# Altium PCB SCCM.PcbDoc (part 2 of 2)
Units mm, origin at the board's own origin, x right, y up, seen from the top; angles counter-clockwise.
Board outline 70.99 x 61.72 mm, 2 copper layers (Top Layer, Bottom Layer), stack 1.671 mm thick; 172 components, 92 nets, 528 pads, 418 vias.
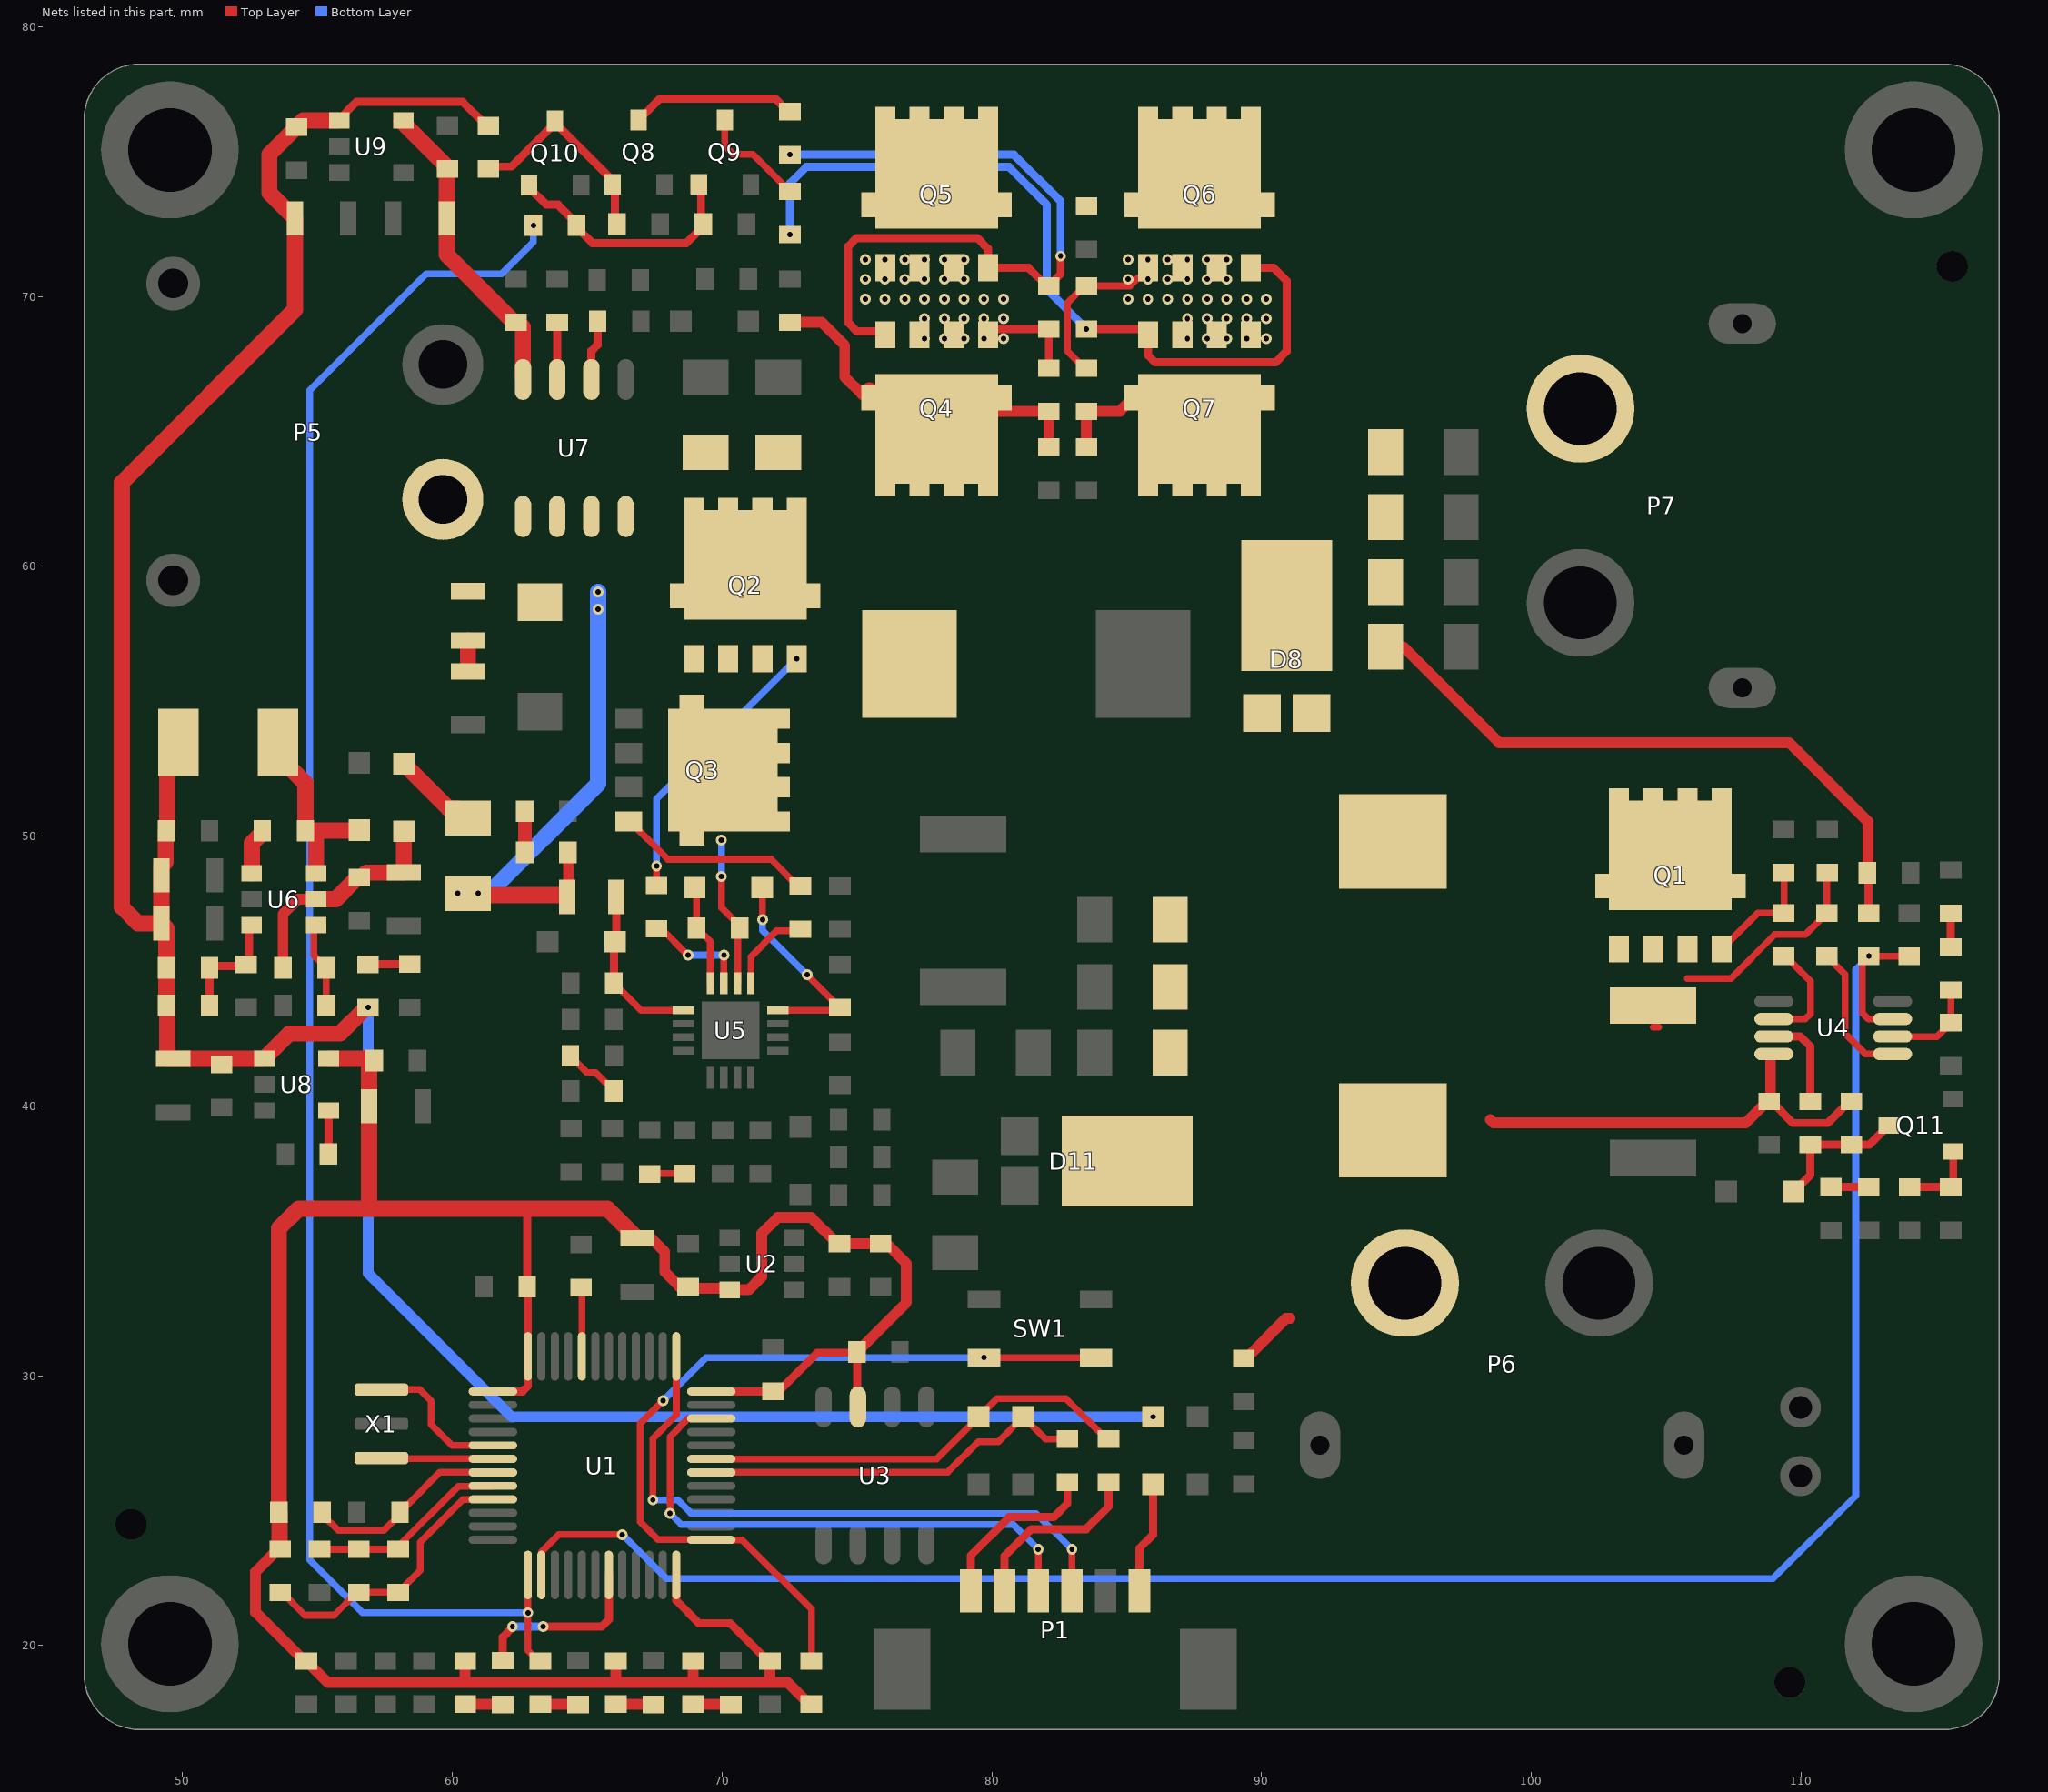
[diagram p2: the nets of this part, all layers, seen from the top]

## Via types
v1: diameter 0.4, hole 0.2, Top Layer to Bottom Layer, tented both sides, 414 vias
v2: diameter 0.5, hole 0.2, Top Layer to Bottom Layer, tented both sides, 4 vias

## Nets (pads, with @x,y where several pads share a name; then routed paths per layer and width w, separated by ;. In a path a pad name is that pad's centre, name@x,y a point inside that pad or via, vN(x,y) a via of type N, cw(c..) or ccw(c..) an arc to the next point about the centre after c; other vN are vias at no path point) (continued)
LED_ID: D3.2 U1.19 | length 6.7
  Top Layer w0.3: D3.2@61.871,19.442 61.871,20.315 62.23,20.674 v1(62.23,20.701) ; v1(63.373,20.701) 65.532,20.701 65.804,20.973 U1.19@65.804,22.62
  Bottom Layer w0.3: v1(62.23,20.701) v1(63.373,20.701)
LM_VFB: R14.1 R17.2 U1.14 U4.3 | length 76.9
  Top Layer w0.254: U1.14@63.304,22.62 63.313,22.629 63.313,23.483 63.943,24.113 v1(66.304,24.113) ; U4.3@113.395,43.226 112.486,43.226 112.268,43.444 112.268,45.31 v1(112.514,45.555) R17.2@114.005,45.555
  Bottom Layer w0.254: v1(66.304,24.113) 67.938,22.479 108.958,22.479 112.029,25.55 112.029,45.07 v1(112.514,45.555)
NetC19_1: C19.1 R18.2 | length 1.2
  Top Layer w0.3: C19.1@115.554,45.894 R18.2@115.554,47.144
NetC19_2: C19.2 C56.2 U4.2 | length 3.6
  Top Layer w0.254: U4.2@113.395,42.576 115.039,42.576 C56.2@115.554,43.091 ; C56.2@115.554,43.091 C19.2@115.554,44.294
NetC20_2: C20.2 Q1.1 Q1.2 Q1.3 R16.2 R60.1 | length 7.9
  Top Layer w0.254: 104.521,42.929 104.721,42.929 ; 105.791,44.723 107.398,44.723 109.03,46.355 110.16,46.355 R60.1@110.96,47.155 110.96,48.553 110.946,48.567 C20.2@111.021,48.567
NetC21_1: C21.1 R19.2 | length 1.5
  Top Layer w0.5: R19.2@62.688,49.403 C21.1@62.688,50.927
NetC22_1: C22.1 D9.2 R20.2 U5.1 | length 6.3
  Top Layer w0.254: C22.1@65.989,44.558 67,43.547 U5.1@68.569,43.547
  Top Layer w0.3: C22.1@65.989,44.483 C22.1@65.989,44.558 65.989,46.039 D9.2@66.039,46.089 66.083,46.132 R20.2@66.083,47.752
NetC25_1: C25.1 D10.1 U5.12 | length 8
  Top Layer w0.254: D10.1@71.487,48.097 71.501,48.083 v1(71.501,46.908) ; U5.12@72.069,43.547 74.263,43.547 C25.1@74.366,43.65 v1(73.152,44.864)
  Bottom Layer w0.254: v1(71.501,46.908) 71.501,46.515 v1(73.152,44.864)
NetC27_1: C27.1 L4.1 Q2.1 Q2.2 Q2.3 Q3.5 U5.14 | length 5.6
  Top Layer w0.254: v1(69.977,48.514) 69.977,47.354 70.659,46.672 C27.1@70.659,46.597 70.582,46.52 70.582,44.56 U5.14@70.569,44.547
  Bottom Layer w0.254: v1(69.977,48.514) v1(69.977,49.859)
NetC27_2: C27.2 D10.2 U5.16 | length 3.8
  Top Layer w0.254: D10.2@68.987,48.097 69.059,48.025 C27.2@69.059,46.597 69.569,46.087 U5.16@69.569,44.547
NetC34_1: C34.1 U6.1 | length 1.7
  Top Layer w0.6: U6.1@52.564,48.63 52.564,49.736 52.958,50.13 C34.1@52.958,50.205
NetC34_2: C34.2 D16.2 L5.1 U6.6 | length 7.4
  Top Layer w0.6: L5.1@53.539,53.481 53.539,52.981 54.558,51.963 C34.2@54.558,50.205 C34.2@54.558,50.189 ; C34.2@54.558,50.13 C34.2@54.558,50.189 ; U6.6@54.951,48.63 54.951,50.214 ; D16.2@56.551,50.223 56.542,50.214 54.951,50.214 ; C34.2@54.558,50.189 54.583,50.214 54.951,50.214
NetC35_2: C35.2 C36.2 D15.2 R47.2 U6.5 | length 8.6
  Top Layer w0.4: R47.2@53.719,45.124 53.719,47.115 54.268,47.664 U6.5@54.951,47.664
  Top Layer w0.6: U6.5@54.951,47.664 54.956,47.669 55.681,47.669 56.476,48.465 C36.2@56.551,48.465 56.626,48.465 56.812,48.65 58.198,48.65 C35.2@58.202,48.655 D15.2@58.202,50.185
NetC37_1: C37.1 R48.1 R52.2 U6.3 | length 4.3
  Top Layer w0.3: R48.1@51.001,43.727 C37.1@51.001,45.124 51.064,45.187 52.297,45.187 R52.2@52.36,45.25 52.462,45.352 52.462,46.598 U6.3@52.564,46.699
NetC40_2: C40.2 U7.6 | length 2.3
  Top Layer w0.3: U7.6@65.16,66.929 65.16,67.983 65.387,68.211 C40.2@65.387,69.088
NetC42_2: C42.2 R49.1 | length 1
  Top Layer w0.6: C42.2@60.579,56.236 R49.1@60.579,57.252
NetC51_2: C51.2 U8.4 | length 1.6
  Top Layer w0.3: C51.2@55.41,38.224 55.413,38.227 U8.4@55.413,39.806 ; U8.4@55.413,39.568 U8.4@55.416,39.571
NetD1_1: D1.1 P1.1 | length 4.2
  Top Layer w0.3: P1.1@85.473,22.026 85.473,23.605 85.981,24.113 85.981,25.981 D1.1@85.979,25.983
NetD3_1: D3.1 R6.2 | length 1.4
  Top Layer w0.4: R6.2@60.474,17.829 60.48,17.823 61.865,17.823 D3.1@61.871,17.816
NetD4_1: D4.1 R8.2 | length 1.4
  Top Layer w0.3: D4.1@111.109,37.008 111.116,37.001 112.5,37.001 R8.2@112.506,36.995
NetD5_1: D5.1 R9.2 | length 1.4
  Top Layer w0.4: R9.2@68.93,17.829 68.936,17.823 70.322,17.823 D5.1@70.328,17.816
NetD6_1: D6.1 R10.2 | length 1.4
  Top Layer w0.4: R10.2@66.062,17.829 66.068,17.823 67.453,17.823 D6.1@67.459,17.816
NetD8_1: D8.1 D8.2 L3.2 Q1.5
NetD13_1: D13.1 R30.2 | length 2.2
  Top Layer w0.254: D13.1@64.376,41.858 64.998,41.237 65.31,41.237 R30.2@65.989,40.558
NetD14_1: D14.1 R31.2 | length 1.3
  Top Layer w0.254: D14.1@67.319,37.484 67.325,37.491 68.613,37.491 R31.2@68.619,37.497
NetD15_1: D15.1 F1.2 | length 3.2
  Top Layer w0.6: D15.1@58.202,52.685 59.864,51.023 60.229,51.023 F1.2@60.579,50.673
NetD17_1: D17.1 R45.1 | length 1.6
  Top Layer w0.3: R45.1@56.875,45.25 56.882,45.256 58.414,45.256 D17.1@58.42,45.263
NetD18_2: D18.2 P5.1 R49.2 U7.1 U7.2
NetD21_1: D21.1 R59.2 | length 1.4
  Top Layer w0.4: R59.2@63.268,17.829 63.274,17.823 64.659,17.823 D21.1@64.665,17.816
NetD22_2: D22.2 Q11.3 R12.2 R15.1 | length 5.2
  Top Layer w0.3: D22.2@109.728,36.83 110.347,37.449 R15.1@110.347,38.57 R12.2@111.871,38.57 112.544,38.57 Q11.3@113.255,39.281
NetP1_5: P1.5 R3.1 | length 6.8
  Top Layer w0.3: P1.5@80.473,22.026 80.473,23.323 81.465,24.315 83.497,24.315 84.328,25.146 R3.1@84.328,26.052
NetP1_6: P1.6 R4.1 | length 6.5
  Top Layer w0.3: P1.6@79.223,22.026 79.223,23.343 80.645,24.765 82.296,24.765 82.804,25.273 R4.1@82.804,26.052
NetQ1_4: Q1.4 R13.1 R61.2 | length 4.3
  Top Layer w0.254: Q1.4@107.061,45.817 108.399,47.155 R13.1@109.347,47.155 109.372,47.18 R61.2@109.372,48.654
NetQ2_4: Q2.4 R21.2 | length 10.6
  Top Layer w0.254: R21.2@67.573,48.171 67.564,48.18 67.573,48.188 v1(67.573,48.895)
  Bottom Layer w0.254: v1(67.573,48.895) 67.573,51.383 v1(72.768,56.578)
NetQ3_4: Q3.4 R23.2 | length 7.4
  Top Layer w0.254: Q3.4@66.548,50.546 66.596,50.546 67.993,49.149 71.812,49.149 72.864,48.097 R23.2@72.907,48.097
NetQ4_1: Q4.1 Q4.2 Q4.3 Q5.1 Q5.2 Q5.3 R32.1 R35.2 | length 3.7
  Top Layer w0.3: Q4.1@79.862,68.707 79.951,68.796 R35.2@82.112,68.796 R32.1@82.112,67.348
  other v1: 77.508,68.445 78.24,68.445 78.973,68.445 79.705,68.445 80.438,68.445 77.508,69.177 78.24,69.177 78.973,69.177 79.705,69.177 80.438,69.177 75.311,69.909 76.043,69.909 76.776,69.909 77.508,69.909 78.24,69.909 78.973,69.909 79.705,69.909 80.438,69.909 75.311,70.642 76.043,70.642 76.776,70.642 77.508,70.642 78.24,70.642 78.973,70.642 75.311,71.374 76.043,71.374 76.776,71.374 77.508,71.374 78.24,71.374 78.973,71.374
NetQ4_4: Q4.4 Q5.4 R35.1 R39.2 | length 27.1
  Top Layer w0.3: Q4.4@76.052,68.707 75.001,68.707 74.676,69.032 74.676,71.858 74.99,72.172 79.466,72.172 79.862,71.776 Q5.4@79.862,71.069 81.363,71.069 82.037,70.396 R35.1@82.112,70.396 82.55,70.834 v1(82.55,71.501)
  Bottom Layer w0.3: v1(72.519,75.261) 80.822,75.261 82.55,73.533 v1(82.55,71.501)
NetQ6_1: Q6.1 Q6.2 Q6.3 Q7.1 Q7.2 Q7.3 R33.2 R37.2 | length 6.4
  Top Layer w0.254: R33.2@83.509,67.348 83.434,67.348 82.804,67.978 82.804,69.767 83.434,70.396 R37.2@83.509,70.396 85.122,70.396 85.422,70.696 85.547,70.696 85.795,70.944 Q6.1@85.795,71.069
  other v1: 87.251,68.445 87.983,68.445 88.716,68.445 89.448,68.445 90.18,68.445 87.251,69.177 87.983,69.177 88.716,69.177 89.448,69.177 90.18,69.177 85.054,69.909 85.786,69.909 86.518,69.909 87.251,69.909 87.983,69.909 88.716,69.909 89.448,69.909 90.18,69.909 85.054,70.642 85.786,70.642 86.518,70.642 87.251,70.642 87.983,70.642 88.716,70.642 85.054,71.374 85.786,71.374 86.518,71.374 87.251,71.374 87.983,71.374 88.716,71.374
NetQ6_4: Q6.4 Q7.4 R37.1 R40.2 | length 30.2
  Top Layer w0.3: v1(83.509,68.796) 85.706,68.796 85.795,68.707 85.795,67.824 86.054,67.564 90.52,67.564 90.932,67.976 90.932,70.591 90.453,71.069 Q6.4@89.605,71.069
  Bottom Layer w0.3: v1(72.52,72.299) 72.52,74.205 73.126,74.811 80.636,74.811 82.042,73.405 82.042,70.263 v1(83.509,68.796)
NetQ8_1: Q8.1 Q10.3 R41.1 R43.1 | length 8
  Top Layer w0.3: R41.1@61.341,74.735 61.425,74.82 62.191,74.82 Q10.3@63.809,76.438 ; Q10.3@63.809,76.514 Q10.3@63.809,76.438 ; R43.1@66.108,72.685 66.025,72.768 66.025,74.075 Q8.1@65.943,74.158 65.788,74.313 65.788,74.459 Q10.3@63.809,76.438
NetQ8_3: Q8.3 R39.1 | length 6.1
  Top Layer w0.3: Q8.3@66.908,76.546 67.705,77.343 71.962,77.343 72.444,76.861 R39.1@72.519,76.861
NetQ9_3: Q9.3 R40.1 | length 4.1
  Top Layer w0.254: Q9.3@70.104,76.546 70.104,75.595 70.425,75.274 71.144,75.274 R40.1@72.52,73.899
NetQ11_1: Q11.1 R57.1 R58.2 | length 3
  Top Layer w0.3: R57.1@114.03,36.995 R58.2@115.554,36.995 115.643,37.084 115.643,38.227 115.732,38.316 Q11.1@115.732,38.405
NetR5_1: R5.1 U1.44 | length 2.6
  Top Layer w0.254: R5.1@64.774,33.265 64.804,33.235 U1.44@64.804,30.72
NetR13_2: R13.2 U4.6 | length 4
  Top Layer w0.254: U4.6@108.995,43.226 110.155,43.226 110.347,43.418 110.347,44.63 109.422,45.555 R13.2@109.347,45.555
NetR15_2: R15.2 U4.7 | length 3.5
  Top Layer w0.3: U4.7@108.995,42.576 109.977,42.576 110.347,42.206 R15.2@110.347,40.17
NetR21_1: R21.1 U5.15 | length 3.9
  Top Layer w0.254: R21.1@67.573,46.571 67.761,46.571 v1(68.739,45.593) ; U5.15@70.069,44.547 v1(70.069,45.593)
  Bottom Layer w0.254: v1(68.739,45.593) v1(70.069,45.593)
NetR23_1: R23.1 U5.13 | length 3.2
  Top Layer w0.254: U5.13@71.069,44.547 71.069,45.542 72.024,46.497 R23.1@72.907,46.497
NetR46_2: R46.2 U7.7 | length 2.1
  Top Layer w0.3: U7.7@63.89,66.929 R46.2@63.89,69.05
NetR47_1: R47.1 R51.2 U6.4 | length 3.3
  Top Layer w0.254: U6.4@54.951,46.699 55.027,46.699 54.864,46.536 54.864,45.58 R47.1@55.319,45.124 R51.2@55.32,43.728
NetR60_2: R60.2 U4.1 | length 5.3
  Top Layer w0.254: R60.2@110.96,45.555 111.035,45.555 111.233,45.357 111.233,45.282 111.633,44.882 111.633,42.688 112.395,41.926 U4.1@113.395,41.926
NetU1_5: U1.5 X1.1 | length 5.5
  Top Layer w0.254: X1.1@57.368,29.49 58.797,29.49 59.221,29.066 59.221,28.194 59.995,27.42 U1.5@61.504,27.42
NetU1_6: U1.6 X1.3 | length 4.1
  Top Layer w0.254: X1.3@57.368,26.95 57.39,26.929 61.495,26.929 U1.6@61.504,26.92
NRST: C5.2 R7.1 U1.7 | length 7.6
  Top Layer w0.254: R7.1@55.17,24.942 55.17,24.867 55.772,24.265 57.457,24.265 58.059,24.867 C5.2@58.059,24.942 58.059,25.017 58.257,25.215 58.332,25.215 59.538,26.42 U1.7@61.504,26.42
P_SW: Q9.1 Q10.1 R42.2 R44.1 | length 9.4
  Top Layer w0.3: Q10.1@62.844,74.127 62.844,74.05 63.488,73.406 63.922,73.406 64.609,72.719 R42.2@64.609,72.644 64.609,72.569 65.193,71.985 68.679,71.985 69.304,72.61 R44.1@69.304,72.685 69.221,72.768 69.221,74.075 Q9.1@69.139,74.158
POWER_SW: R42.1 R59.1 U1.13 | length 66.9
  Top Layer w0.254: U1.13@62.804,22.62 v1(62.804,21.219) 62.804,19.818 63.193,19.429 R59.1@63.268,19.429
  Bottom Layer w0.254: v1(62.804,21.219) 56.672,21.219 54.72,23.171 54.72,66.531 59.033,70.844 61.827,70.844 63.009,72.026 v1(63.009,72.644)
SWCLK: P1.3 U1.37 | length 23.5
  Top Layer w0.254: v1(67.437,25.4) 67.437,27.678 68.304,28.545 U1.37@68.304,30.72 ; P1.3@82.973,22.026 v1(82.973,23.571)
  Bottom Layer w0.254: v1(67.437,25.4) 68.363,25.4 68.863,24.9 81.644,24.9 v1(82.973,23.571)
SWDIO: P1.4 U1.34 | length 20.4
  Top Layer w0.254: v1(68.072,24.9) 68.072,27.742 68.741,28.411 69.595,28.411 U1.34@69.604,28.42 ; P1.4@81.723,22.026 v1(81.723,23.571)
  Bottom Layer w0.254: v1(68.072,24.9) 68.086,24.9 68.49,24.496 80.798,24.496 v1(81.723,23.571)
USART1_RX: D2.2 R3.2 U1.31 | length 16.3
  Top Layer w0.254: U1.31@69.604,26.92 77.947,26.92 D2.2@79.51,28.483 80.187,29.16 82.745,29.16 84.253,27.652 R3.2@84.328,27.652
USART1_TX: D7.2 R4.2 U1.30 | length 14.4
  Top Layer w0.254: U1.30@69.604,26.42 78.363,26.42 79.502,27.559 80.237,27.559 D7.2@81.161,28.483 81.992,27.652 R4.2@82.804,27.652
USER_SW: R11.2 SW1.2 U1.25 | length 31.2
  Top Layer w0.254: v1(67.818,29.083) 66.96,28.225 66.96,24.591 67.623,23.929 67.627,23.933 67.981,23.933 67.985,23.929 69.595,23.929 U1.25@69.604,23.92 70.743,23.92 73.31,21.354 R11.2@73.31,19.429 ; v1(79.713,30.675) SW1.2@83.863,30.675
  Bottom Layer w0.254: v1(67.818,29.083) 69.41,30.675 v1(79.713,30.675)
VCC_3V3: C3.2 C4.2 C6.2 C7.2 C8.2 C9.2 C10.2 C45.2 C46.2 L1.1 R1.2 R2.2 R6.1 R7.2 R9.1 R10.1 R11.1 U1.1 U1.24 U1.36 U1.48 U2.3 U3.3 U8.5 | length 101.8
  Top Layer w0.3: U1.1@61.504,29.42 62.605,29.42 62.804,29.619 U1.48@62.804,30.72 62.804,33.373 62.776,33.401 62.776,36.195 ; U1.24@68.304,22.62 68.304,21.669 69.145,20.828 70.303,20.828 71.702,19.429 C7.2@71.777,19.429 ; U1.36@69.604,29.42 69.607,29.423 71.887,29.423 C9.2@71.89,29.426 72.098,29.426 73.529,30.857 74.974,30.857 C10.2@74.998,30.881 75.017,30.862 75.017,28.868 U3.3@75.036,28.849
  Top Layer w0.4: L1.1@53.615,23.571 53.54,23.571 52.705,22.736 52.705,21.234 54.51,19.429 C6.2@54.585,19.429 55.385,18.629 60.474,18.629 ; R6.1@60.474,19.429 60.474,18.629 ; R10.1@66.062,19.429 66.062,18.629 ; C3.2@66.858,35.09 67.382,35.09 67.873,34.599 67.873,33.854 68.428,33.299 C4.2@68.739,33.299 68.796,33.242 70.223,33.242 U2.3@70.28,33.185 70.285,33.19 70.997,33.19 71.471,33.663 71.471,35.276 72.065,35.87 73.307,35.87 74.277,34.899 R2.2@74.352,34.899 R1.2@75.876,34.899 76.099,34.899 76.835,34.163 76.835,32.718 C10.2@74.998,30.881 ; R9.1@68.93,19.429 68.93,18.629 ; C7.2@71.777,19.429 71.777,18.629 ; R11.1@73.31,17.829 73.235,17.829 72.435,18.629 71.777,18.629 ; 60.474,18.629 66.062,18.629 ; 66.062,18.629 68.93,18.629 ; 68.93,18.629 71.777,18.629
  Top Layer w0.6: L1.1@53.615,23.571 53.593,23.594 53.593,24.919 R7.2@53.57,24.942 53.57,35.465 54.3,36.195 56.915,36.195 ; U8.5@55.416,41.758 55.421,41.753 57.08,41.753 C45.2@57.08,41.582 ; C45.2@56.915,41.416 C46.2@56.915,39.993 ; C45.2@56.919,41.421 56.919,39.998 C46.2@56.915,39.993 ; C3.2@66.858,35.09 65.753,36.195 62.776,36.195 56.915,36.195 ; 56.915,36.195 C46.2@56.915,39.993
VCC_5V: C33.1 C49.2 C50.2 U7.8 U9.5 | length 11.6
  Top Layer w0.6: U9.5@58.112,76.5 58.251,76.361 59.717,74.895 59.717,74.76 59.742,74.735 C49.2@59.817,74.735 59.796,74.714 59.796,72.903 C50.2@59.792,72.898 59.792,71.549 62.29,69.05 C33.1@62.365,69.05 62.44,69.05 62.62,68.871 U7.8@62.62,66.929
VCC_5V3: C37.2 C38.2 C39.2 C43.2 C44.2 C47.2 C48.2 C54.2 D1.2 L5.2 R41.2 R45.2 R48.2 U8.1 U9.1 | length 103.4
  Top Layer w0.3: U9.1@55.648,76.5 55.724,76.5 55.754,76.53 56.44,77.216 60.385,77.216 61.266,76.335 R41.2@61.341,76.335
  Top Layer w0.4: U9.1@55.754,76.53 U9.1@55.804,76.53
  Top Layer w0.6: C43.2@49.426,41.752 49.431,41.747 C43.2@49.65,41.747 52.941,41.747 52.952,41.758 U8.1@53.028,41.758 53.955,42.685 55.835,42.685 56.8,43.65 v1(56.875,43.65) ; C43.2@49.426,41.99 49.426,43.702 R48.2@49.401,43.727 C37.2@49.401,45.124 49.401,46.585 C54.2@49.211,46.775 ; L5.2@49.839,53.481 49.426,53.068 49.426,50.229 C38.2@49.401,50.204 49.376,50.179 49.376,49.049 49.211,48.884 C39.2@49.211,48.553 C54.2@49.211,46.775 ; U9.1@55.754,76.53 54.47,76.53 C48.2@54.229,76.289 53.213,75.273 53.213,73.849 C47.2@54.164,72.898 54.164,69.52 47.752,63.108 47.752,47.371 48.348,46.775 C54.2@49.211,46.775
  Bottom Layer w0.4: v1(56.875,43.65) 56.875,33.803 62.195,28.483 v1@85.979,28.483
  other v1: 85.979,28.483
VCC_BAT: C23.2 C24.2 F1.1 Q2.5 Q4.5 R19.1 R20.1 R32.2 R34.2 R53.2 U7.3 U7.4 | length 28.2
  Top Layer w0.4: R20.1@64.254,47.752 64.307,47.805 R19.1@64.307,49.223 ; R19.1@64.291,49.406 R19.1@64.341,49.456 ; R53.2@72.517,69.05 73.693,69.05 74.549,68.194 74.549,67.018 75.197,66.37 Q4.5@75.62,66.37 ; Q4.5@80.294,66.37 80.294,65.748 R32.2@82.112,65.748 R34.2@82.112,64.427
  Top Layer w0.6: F1.1@60.582,47.876 F1.1@60.579,47.873 60.64,47.813 64.249,47.813 64.254,47.808 R20.1@64.254,47.752 ; R19.1@64.288,49.403 R19.1@64.291,49.406 ; Q4.5@75.468,66.53 75.62,66.378 Q4.5@75.62,66.37
  Bottom Layer w0.6: v1(60.198,47.879) v1(60.96,47.879) 61.341,47.879 65.405,51.943 v1(65.405,58.42) v1(65.405,59.055)
VCC_CAP: C11.2 C12.2 C13.2 C55.2 D11.3 L3.1 P6.1 R12.1 R54.2 U4.8 | length 18.6
  Top Layer w0.3: C13.2@108.87,40.17 108.898,40.17 109.701,39.367 110.993,39.367 111.796,40.17 R12.1@111.871,40.17
  Top Layer w0.4: R54.2@89.344,30.645 89.419,30.645 90.905,32.131 91.059,32.131 ; 98.479,39.497 98.606,39.37 107.948,39.37 108.748,40.17 C13.2@108.823,40.17 108.87,40.17 108.87,41.801 U4.8@108.995,41.926
VCC_CAPBOOST: C14.2 C15.2 C16.2 C17.2 C18.2 D8.3 Q7.5 R14.2 R33.1 R38.2 | length 27.4
  Top Layer w0.3: C14.2@112.484,48.641 112.499,48.626 112.499,47.17 R14.2@112.513,47.155
  Top Layer w0.4: R38.2@83.509,64.427 R33.1@83.509,65.748 84.748,65.748 85.363,66.363 Q7.5@85.363,66.37 ; C15.2@94.598,57.022 95.251,57.022 98.806,53.467 109.563,53.467 112.484,50.546 C14.2@112.484,48.641
VCC_OUT: P7.1 Q5.5 Q6.5 R36.2
VDDA_MCU: C1.2 C2.2 L1.2 U1.9 | length 10.7
  Top Layer w0.254: L1.2@53.615,21.971 53.69,21.971 54.534,21.128 55.616,21.128 56.46,21.971 C2.2@56.535,21.971 58.069,21.971 58.267,22.169 58.267,22.244 58.817,22.794 58.817,23.839 60.389,25.411 61.495,25.411 U1.9@61.504,25.42
VSSA_MCU: C1.1 C2.1 L2.2 U1.8 | length 7.5
  Top Layer w0.254: L2.2@55.075,23.571 C2.1@56.535,23.571 C1.1@57.994,23.571 ; C1.1@57.883,23.571 60.223,25.911 61.495,25.911 U1.8@61.504,25.92
pads on no net: P5.0 P6.0 P7.0 U1.2 U1.3 U1.4 U1.15 U1.16 U1.17 U1.18 U1.20 U1.26 U1.28 U1.29 U1.38 U1.45 U1.46 U3.5 U8.3 U9.3 U9.4
copper on no net:
  other v1: 49.53,18.034 114.173,18.034 48.093,18.629 50.967,18.629 112.736,18.629 115.61,18.629 47.498,20.066 51.562,20.066 112.141,20.066 116.205,20.066 48.093,21.503 50.967,21.503 112.736,21.503 115.61,21.503 49.53,22.098 114.173,22.098 49.53,73.406 114.173,73.406 48.093,74.001 50.967,74.001 112.736,74.001 115.61,74.001 47.498,75.438 51.562,75.438 112.141,75.438 116.205,75.438 48.093,76.875 50.967,76.875 112.736,76.875 115.61,76.875 49.53,77.47 114.173,77.47

## Polygon pours and split planes (outlines as drawn)
GND on Top Layer "GND_L01_P040" (solid, remove dead copper, pour order 40): 46.482,78.994 117.602,78.994 117.475,78.867 117.475,16.891 46.228,16.891 46.101,17.018
NetQ4_1 on Top Layer "NETQ4_1_L01_P004" (solid, remove dead copper, pour order 4): 75.059,71.882 79.248,71.882 79.248,70.315 80.899,70.315 80.899,67.818 76.651,67.818 76.651,69.469 75.059,69.469
NetQ6_1 on Top Layer "NETQ6_1_L01_P006" (solid, remove dead copper, pour order 6): 84.748,71.882 89.027,71.882 89.027,70.315 90.551,70.315 90.551,67.818 86.36,67.818 86.36,69.469 84.748,69.469
NetD8_1 on Top Layer "NETD8_1_L01_P022" (solid, remove dead copper, pour order 22): 88.265,55.626 96.012,55.626 98.552,53.086 108.204,53.086 108.204,46.99 102.862,46.99 101.592,45.593 90.678,45.593 88.265,48.006
NetC20_2 on Top Layer "NETC20_2_L01_P026" (solid, remove dead copper, pour order 26): 99.695,45.263 101.6,45.263 102.939,46.736 106.426,46.736 106.426,45.094 107.76,45.094 107.76,39.624 99.695,39.624
VCC_CAPBOOST on Top Layer "VCC_CAPBOOST_L01_P024" (solid, remove dead copper, pour order 24): 84.709,67.31 84.709,59.69 88.265,59.69 88.265,55.88 96.393,55.88 96.393,65.659 94.704,67.348 93.218,67.348
GND on Top Layer "GND_L01_P036" (solid, remove dead copper, pour order 36): 67.183,51.181 67.183,57.526 61.595,57.526 61.595,55.499 59.309,55.499 59.309,51.689 63.539,51.689 63.539,50.317 64.83,50.317 65.694,51.181
GND on Top Layer "GND_L01_P034" (solid, remove dead copper, pour order 34): 99.695,38.879 108.077,38.879 108.077,32.004 106.172,30.099 99.695,30.099
NetC27_1 on Top Layer "NETC27_1_L01_P014" (solid, remove dead copper, pour order 14): 67.375,57.531 67.375,49.513 75.421,49.513 80.861,54.953 80.861,59.532 75.108,59.532 73.406,57.888 73.406,55.88 72.136,55.88 72.136,57.531
GND on Top Layer "GND_L01_P032" (solid, remove dead copper, pour order 32): 80.772,47.873 84.582,47.879 84.582,40.965 80.772,40.965
VCC_CAP on Top Layer "VCC_CAP_L01_P020" (solid, remove dead copper, pour order 20): 82.428,35.914 88.243,30.099 99.441,30.099 99.441,45.263 90.627,45.263 88.017,47.873 84.748,47.873 84.748,40.767 82.428,40.767
BQ_ISRN on Top Layer "BQ_ISRN_L01_P018" (solid, remove dead copper, pour order 18): 75.415,47.674 75.62,47.879 80.65,47.879 80.65,40.767 82.169,40.767 82.169,36.068 80.65,36.068 76.454,36.068 76.454,37.338 75.415,37.338
BQ_ISRP on Top Layer "BQ_ISRP_L01_P016" (solid, remove dead copper, pour order 16): 81.026,59.532 88.011,59.532 88.011,48.083 75.565,48.083 75.565,49.403 81.026,54.864
VCC_BAT on Top Layer "VCC_BAT_L01_P012" (solid, remove dead copper, pour order 12): 64.609,65.75 64.609,57.785 73.027,57.785 74.676,59.375 75.003,59.69 80.861,59.69 80.861,67.348 74.46,67.348 72.913,65.801
NetD18_2 on Top Layer "NETD18_2_L01_P010" (solid, remove dead copper, pour order 10): 55.648,65.73 64.404,65.752 64.404,57.785 55.648,57.785
VCC_OUT on Top Layer "VCC_OUT_L01_P008" (solid, remove dead copper, pour order 8): 74.549,78.613 74.549,72.517 96.647,72.517 98.552,70.612 98.552,62.738 106.299,62.738 106.299,75.184 102.87,78.613
GND on Bottom Layer "GND_L02_P038" (solid, remove dead copper, pour order 38): 46.355,78.74 46.482,78.613 117.348,78.613 117.348,16.764 117.221,16.637 116.84,17.018 46.228,17.018
NetQ4_1 on Bottom Layer "NETQ4_1_L02_P028" (solid, remove dead copper, pour order 28): 74.676,72.015 81.026,72.015 81.026,67.951 74.676,67.951
NetQ6_1 on Bottom Layer "NETQ6_1_L02_P030" (solid, remove dead copper, pour order 30): 84.519,72.009 90.742,72.009 90.741,67.957 84.519,67.957
no net on Top Overlay "NONET_L-01_P-001" (solid, remove dead copper): 52.172,30.15
no net on Top Overlay "NONET_L-01_P-001" (solid, remove dead copper): 52.705,31.115

## Keep-outs
Keep-Out Layer:
  lines w0.15: 52.197,78.613 48.387,78.613 ccw(c48.387,76.581) 46.355,76.581 46.355,18.923 ccw(c48.387,18.923) 48.387,16.891 49.022,16.891 110.109,16.891 ; 52.197,78.613 52.197,78.613 ; 52.197,78.613 115.316,78.613 cw(c115.316,76.581) 117.348,76.581 117.348,18.923 cw(c115.316,18.923) 115.316,16.891 110.109,16.891 ; 110.109,16.891 110.109,16.891

## Other copper
Top Layer:
  pour cut-out: 113.167,46.576 113.167,46.134 113.063,46.134 113.03,46.101 112.911,46.22 112.911,46.609
  pour cut-out: 73.173,74.682 73.174,74.682 73.174,74.478 72.969,74.478 72.913,74.422 72.913,74.65
  pour cut-out: 112.709,39.929 112.484,39.929 112.484,39.709 112.486,39.707 112.736,39.707
  pour cut-out: 111.001,40.749 111.217,40.749 111.274,40.692 111.274,40.513 110.96,40.513
  pour cut-out: 83.458,26.631 83.674,26.631 83.674,26.435 83.693,26.416 83.458,26.416
  pour cut-out: 83.458,27.073 83.674,27.073 83.693,27.092 83.693,27.305 83.439,27.305
  pour cut-out: 73.136,29.916 73.157,29.916 73.363,29.709 73.418,29.765 73.418,30.005
  pour cut-out: 81.026,63.848 84.486,63.848 84.518,63.881 83.756,64.643 82.112,64.643
  pour cut-out: 57.205,50.877 57.53,50.877 57.658,50.749 57.455,50.546 57.205,50.546
  pour cut-out: 53.979,44.483 54.926,44.483 54.951,44.508 54.615,44.844 54.389,44.844
  pour cut-out: 73.561,47.575 73.712,47.575 73.66,47.627 73.66,47.805
  pour cut-out: 66.607,48.628 66.607,47.706 66.777,47.706 67.021,47.95 66.975,47.996 66.975,48.685
  pour cut-out: 54.135,25.596 54.591,25.596 54.558,25.563 54.558,22.992 54.22,22.992 54.149,23.063
  pour cut-out: 63.922,20.008 63.922,20.389 63.888,20.355 63.119,20.355
  pour cut-out: 65.408,20.008 65.408,20.389 65.476,20.32 65.69,20.32
  pour cut-out: 73.784,22.992 76.327,22.992 76.327,23.769 76.316,23.78 76.306,23.769 73.766,23.769
  pour cut-out: 74.419,31.754 74.419,31.535 74.973,31.535 74.758,31.749
  pour cut-out: 75.415,37.092 74.677,37.092 74.677,37.362 74.758,37.443 74.864,37.338 75.415,37.338
  pour cut-out: 73.295,37.377 73.714,37.377 73.766,37.325 73.766,37.168 73.418,37.168 73.406,37.18
  pour cut-out: 73.283,46.983 73.283,47.714 73.19,47.714 73.081,47.604 73.081,47.017
  pour cut-out: 91.344,70.591 91.344,72.39 90.391,72.39 90.349,72.432
  pour cut-out: 80.137,72.396 85.167,72.396 85.217,72.346 84.748,71.878 84.748,70.675 80.427,70.675 80.302,70.8
  pour cut-out: 60.325,75.311 60.342,75.328 60.833,75.328 60.833,74.128 60.834,74.127 60.325,74.127
  pour cut-out: 62.055,70.975 62.05,70.97 62.05,70.071 61.815,70.071 60.356,71.53 60.356,71.783 61.399,71.783 61.418,71.802
  pour cut-out: 63.236,70.071 63.236,69.629 63.235,69.629 63.019,69.629 63.019,69.225 63.178,69.067 65.954,69.067 65.954,70.104
  pour cut-out: 64.613,73.298 64.653,73.339 65.613,73.339 65.613,72.209 65.56,72.263 64.915,72.263
  pour cut-out: 66.596,45.974 73.593,45.974 73.593,41.047 66.618,41.047
  pour cut-out: 66.73,44.323
  pour cut-out: 68.044,45.393
Bottom Layer:
  pour cut-out: 56.051,19.429 57.001,19.429 56.642,19.788

## Silkscreen, mask and mechanical layers (free items; w line width, h text height)
Top Overlay:
  lines w0.1: 59.046,43.869 59.3,43.615 59.3,42.799 60.451,42.799 60.451,43.696 60.451,44.322 60.451,45.847 59.317,45.847 59.317,45.16 59.063,44.906 ; 61.407,19.853 61.167,20.093 60.645,20.093 60.645,21.228 61.747,21.228 63.158,21.228 63.158,20.579 63.158,20.114 62.587,20.114 62.326,19.853 ; 63.748,42.545 63.488,42.806 63.488,43.18 63.113,43.18 62.374,43.18 62.374,41.859 62.374,40.657 63.509,40.657 63.509,41.021 63.763,41.275 ; 64.201,19.853 63.961,20.093 63.439,20.093 63.439,21.228 64.541,21.228 65.952,21.228 65.952,20.579 65.952,20.114 65.381,20.114 65.12,19.853 ; 66.684,36.957 66.498,36.771 66.498,35.814 68.115,35.814 68.115,36.796 67.954,36.957 ; 67.011,19.853 66.771,20.093 66.249,20.093 66.249,21.228 67.351,21.228 68.762,21.228 68.762,20.579 68.762,20.114 68.191,20.114 67.93,19.853 ; 69.843,19.853 69.603,20.093 69.081,20.093 69.081,21.228 70.183,21.228 71.594,21.228 71.594,20.579 71.594,20.114 71.022,20.114 70.762,19.853 ; 110.603,34.939 110.334,34.671 108.712,34.671 108.712,33.528 113.665,33.528 113.665,34.671 111.887,34.671 111.633,34.925
  text "Beta 1.3" at 104.394,76.2 h1.7
  text "S·C·C·M" at 91.897,74.041 h3.7
  text "华广机器人·野狼队" at 91.643,72.136 h1.7
  text "Power" at 59.554,45.638 h1.2 r270
  text "HW.Ver: Beta 1.3" at 89.315,45.07 h1.5
  text "Date: 2019-05-02" at 89.368,43.904 h1.5
  text "By Hare" at 89.368,42.644 h1.5
  text "STAT" at 63.251,40.86 h1.2 r90
  text "PG" at 66.828,36.068 h1.2
  text "Boost EN" at 108.995,33.782 h1.2
  text "L  H" at 108.585,26.035 h1.7 r90
  text "TX" at 79.52,23.318 h1.2 r90
  text "RX" at 80.77,23.318 h1.2 r90
  text "DIO" at 82.02,23.318 h1.2 r90
  text "CLK" at 83.27,23.318 h1.2 r90
  text "GND" at 84.52,23.318 h1.2 r90
  text "5V" at 85.77,23.318 h1.2 r90
  text "STA1" at 60.829,20.32 h1.2
  text "MODE" at 63.623,20.32 h1.2
  text "LOW" at 66.739,20.32 h1.2
  text "FULL" at 69.335,20.32 h1.2
Bottom Overlay:
  lines w0.2: 92.075,17.399 105.537,17.399 105.537,21.209 92.075,21.209 92.075,17.399 ; 112.776,23.876 112.776,31.242 116.84,31.242 116.84,23.876 112.776,23.876 ; 112.903,55.499 112.903,68.961 116.84,68.961 116.84,55.499 112.903,55.499
  lines w0.21: 47.117,61.214 50.673,61.214 50.673,68.707 47.117,68.707 47.117,61.214
  text "CHASSIS OUT" at 114.554,68.961 h2 r90
  text "-   +" at 47.752,67.183 h2 r270
  text "BAT IN" at 49.149,61.214 h2 r270
  text "-        +" at 116.205,57.531 h2 r90
  text "CAN" at 114.427,31.242 h2 r90
  text "H   L" at 116.205,29.591 h2 r90
  text "CAPACITOR" at 105.537,19.558 h2
  text "-       +" at 102.87,18.923 h2 r180